# Allegro board trx_layout.brd (continued)
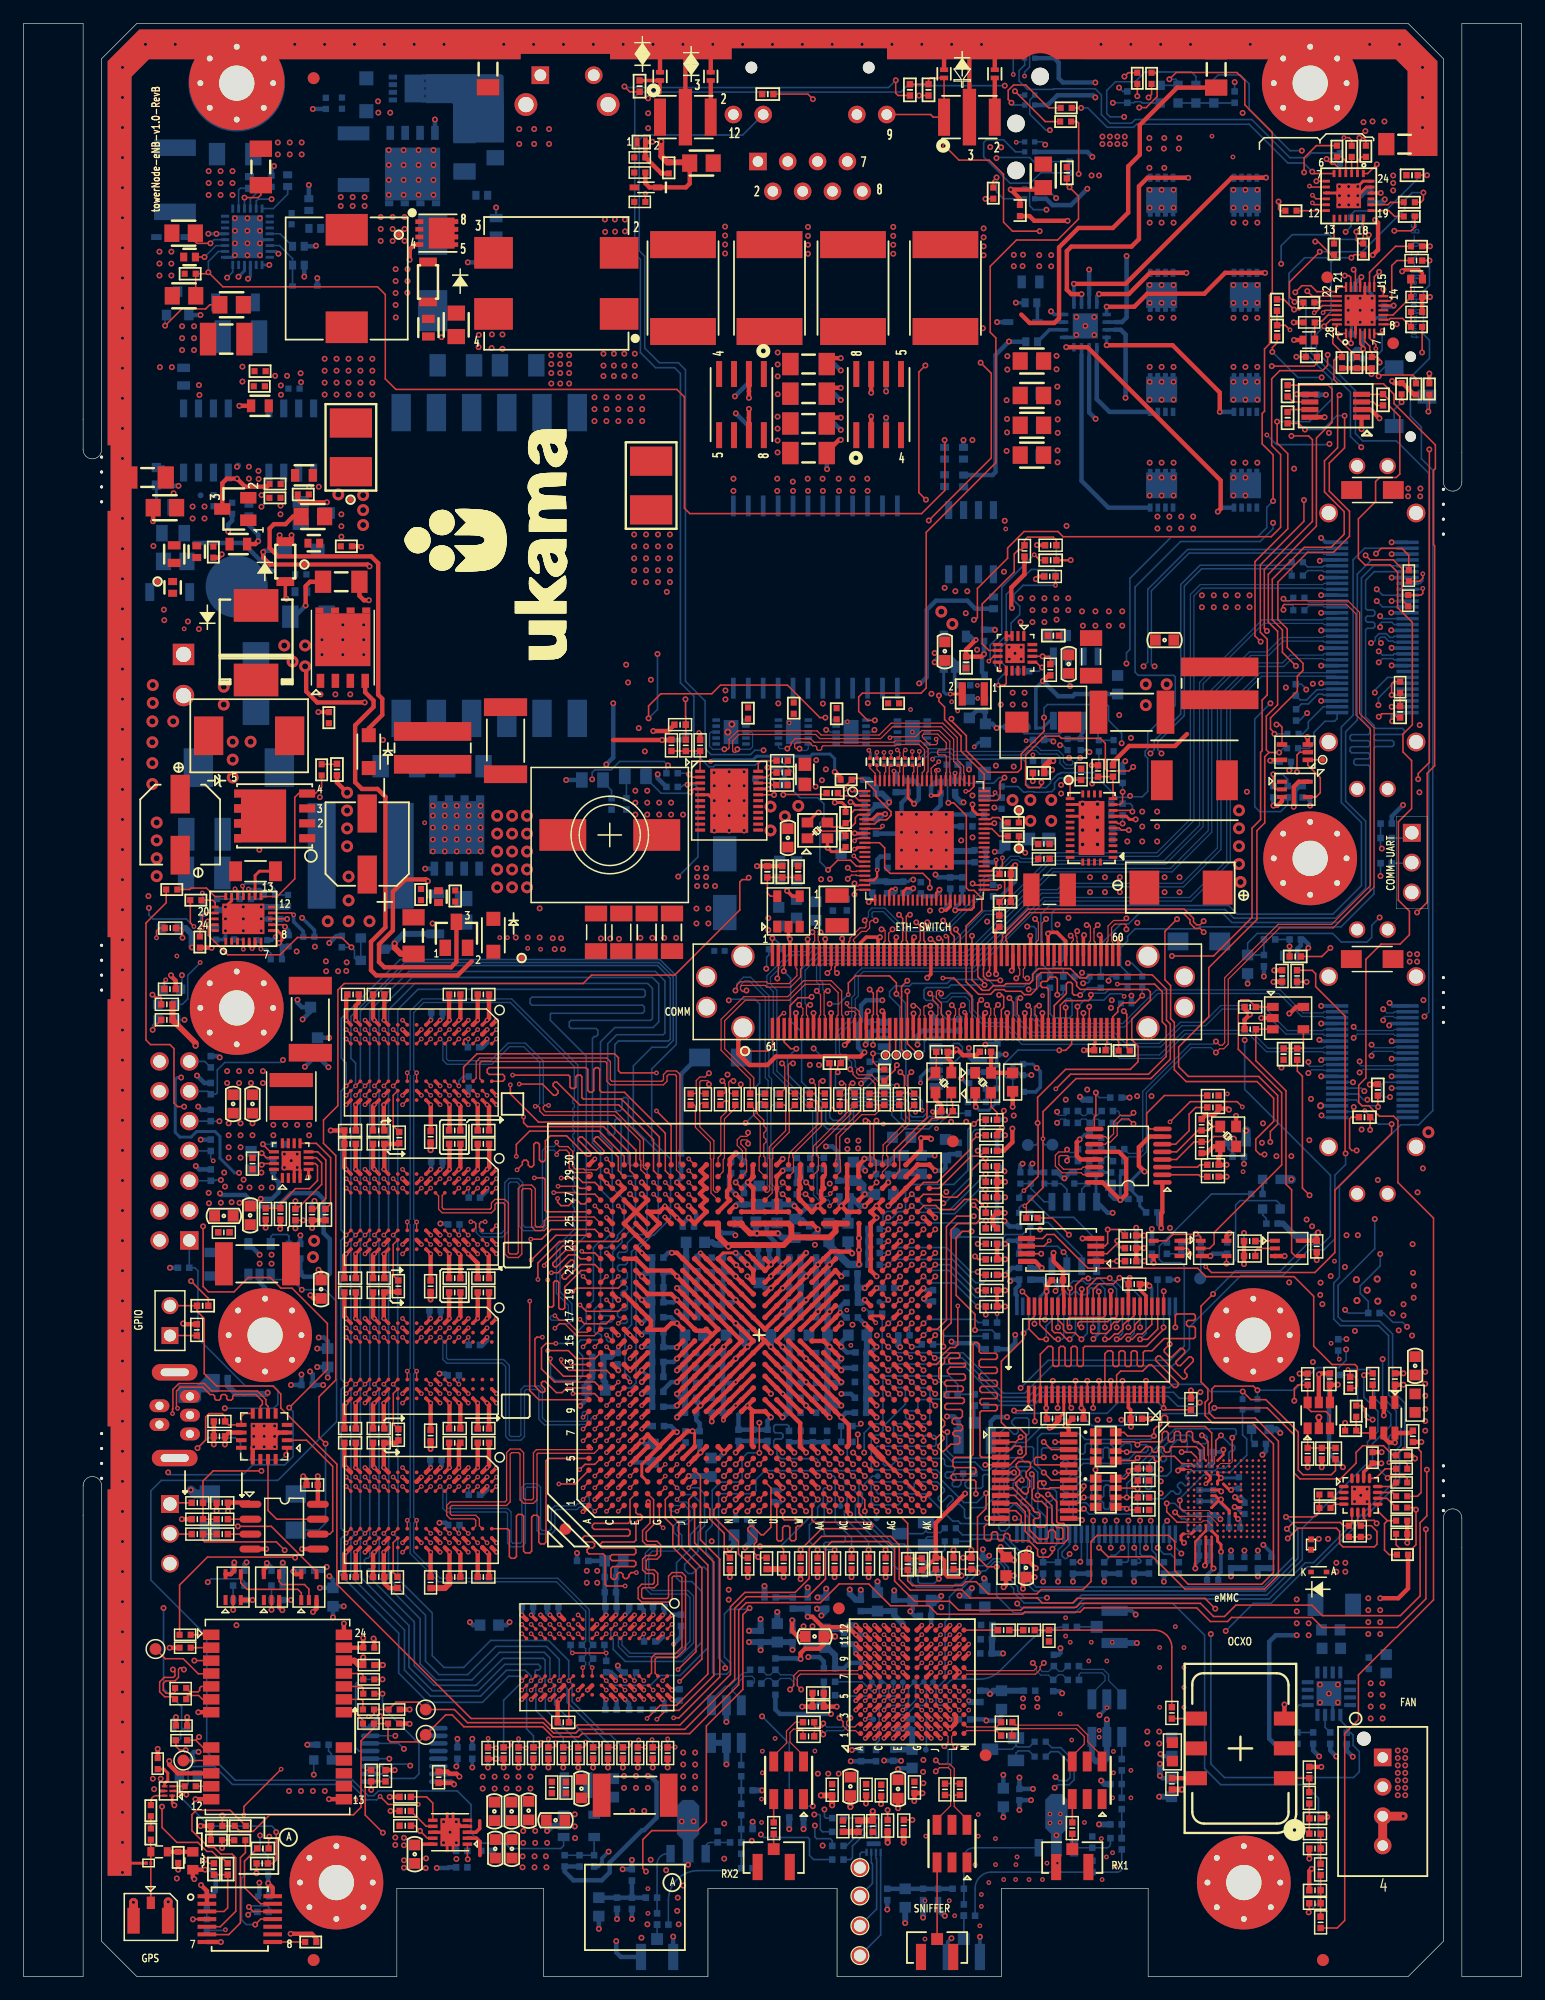
[diagram p0: board, top side]
## Routing (per net, layer and track width the routed paths; a pad name or vN(x,y) marks a point on that pad's centre or on a via; arc(x,y) is an arc through that point) (continued)
N18723580: length 2
  BOTTOM w0.137: v1(21.13,151.33) 19.99,151.33 19.83,151.17 U45.13
  vias: v1(18.65,137.07) v1(18.65,135.8)
N18787052:
  vias: v1(24.36,126.85) v1(25.15,126.85)
N18823954:
  vias: v1(21.89,124.5) v1(21.9,125.24)
N18984920: length 3.3
  BOTTOM w0.137: U45.14 21.28,150.53 22.5,151.75 R250.2
N19428436: length 3
  BOTTOM w0.137: U45.12 19.33,151.33 20.38,152.38 R251.1
N19433326: length 3.3
  TOP w0.137: v1(18.83,151.46) 20,151.46 20.22,151.69 C7.2
  BOTTOM w0.137: U45.11 v1(18.83,151.46)
N19490275:
  vias: v1(20.28,126.13) v1(20.27,125.15)
N19519743:
  vias: v1(27.08,124.5) v1(27.08,123.48) v1(27.08,122.59)
N19520227:
  vias: v1(21.82,122.72) v1(22.83,122.72)
N19527484: length 29.8
  TOP w0.381: R53.2 22.97,124.31 22.32,123.66 21.34,123.66 20.97,123.29 20.97,121.64 21.69,120.92 29.62,120.92 30.21,120.33 30.21,109.14 30.57,108.79 30.57,107.42 29.41,106.27 D12.1
N19802595: length 6.4
  TOP w0.137: R33.2 15.87,142.34 15.52,141.99 13.49,141.99 v1(12.07,140.56)
  BOTTOM w0.137: v1(12.07,140.56) 12.07,141.35 Q23.2
N19816570: length 3
  TOP w0.137: v1(70.67,43.61) U1.AC5
  BOTTOM w0.137: R416.1 70.17,45.08 70.17,44.11 v1(70.67,43.61)
N19916023: length 23.9
  L3-SIGNAL w0.381: v1(35.05,158.12) 28.63,158.12 25.69,155.18 25.69,146.51 v1(23.92,144.74)
  BOTTOM w0.381: Q16.4 v1(35.05,158.12) ; R263.1 v1(23.92,144.74)
N19921421: length 2.4
  BOTTOM w0.137: R262.2 21.86,148.38 U45.18
N20950733: length 3.6
  BOTTOM w0.137: R352.2 R351.1 85.81,67.1 86.95,65.96 U62.1
N20950750: length 2.9
  BOTTOM w0.137: R348.2 R347.1 90.15,67.04 U62.3
N20950752: length 3.2
  BOTTOM w0.137: R350.1 R349.2 88.39,67.51 88.88,67.03 U62.2
N20950802: length 9.3
  BOTTOM w0.137: R357.1 85.78,66.29 87.43,64.64 89.46,64.64 91.42,62.68 U62.5
N20950826: length 6.8
  BOTTOM w0.137: U62.6 90.15,61.34 87.28,64.21 86.6,64.21 R364.1
N21184356: length 4.1
  BOTTOM w0.137: R483.1 108.76,108.7 109.31,108.7 110.17,109.56 110.69,109.56 110.74,109.61 J13.56
N21184358: length 4.1
  BOTTOM w0.137: J13.57 110.74,109.11 110.66,109.19 110.29,109.19 109.45,108.36 108.87,108.36 R484.1
N21225912: length 3
  BOTTOM w0.107: R285.1 109.5,116.71 110.7,116.71 110.79,116.61 J13.42
N21225914: length 3
  BOTTOM w0.107: R283.1 109.5,117.02 110.7,117.02 110.79,117.11 J13.41
N21294021: length 5.2
  TOP w0.137: v1(95.3,83.52) 94.69,82.91 93.65,82.91 93.22,82.47 93.22,82.15 92.79,81.71 J4.119
  BOTTOM w0.137: R308.1 v1(95.3,83.52)
N21294187: length 2.7
  TOP w0.137: J4.1 63.8,88.4 v1(63.79,88.4)
  BOTTOM w0.137: R302.2 64.45,87.88 63.92,88.4 v1(63.79,88.4)
N21294708: length 1.8
  TOP w0.137: R5.1 J4.120
N21294710: length 1.9
  TOP w0.137: J4.118 92.29,79.5 92.18,79.39 R115.1
N21414742: length 4.5
  TOP w0.137: U21.10 116.66,141.47 R43.2 118.19,144.5 R39.1
N21414746: length 3.7
  TOP w0.137: R48.1 110,139.34 R45.2 110.12,140.97 110.64,140.97 111.15,141.47 U21.26
N21414756: length 2
  TOP w0.137: U21.23 110.54,142.67 110.41,142.54 R41.1
N21414762: length 4
  TOP w0.137: R46.2 R683.1 117.47,141.18 116.43,141.18 116.32,141.07 U21.9
N21445296: length 3.7
  TOP w0.137: v2(119.2,119.44) 119.2,119.05 118.95,118.8 R57.2
  BOTTOM w0.137: v2(119.2,119.44) 119.2,118.83 118.98,118.61 J13.8
N21445300: length 3
  TOP w0.137: v2(119.2,118.19) 119.2,117.77 119.05,117.62 R60.2
  BOTTOM w0.137: J13.9 119.12,118.11 v2(119.2,118.19)
N21445467: length 5.4
  BOTTOM w0.137: J13.60 111.9,107.1 111.69,106.88 110.87,106.88 109.92,105.93 109.92,104.96 109.54,104.58 R486.2
N21445469: length 4.6
  BOTTOM w0.137: R485.2 108.97,105.8 109.45,106.28 109.45,106.83 110.73,108.11 J13.59
N22620877: length 3.3
  TOP w0.137: R214.2 46.46,21.65 46.46,24.4 U35.L8
N22623748: length 3.9
  TOP w0.137: U11.L8 31.49,75.03 31.49,72.43 R126.2
N22624855: length 3.8
  TOP w0.137: R163.2 31.5,47.05 31.5,49.64 U23.L8
N22625970: length 3.6
  TOP w0.137: R200.2 31.49,34.41 31.49,36.94 U30.L8
N22627093: length 3.8
  TOP w0.137: U15.L8 31.49,62.33 31.49,59.71 R151.2
N22643259: length 1.2
  TOP w0.137: U35.D3 v2(52.84,29.18)
  BOTTOM w0.152: v2(52.84,29.18) 52.86,29.16 R440.2
N22645297: length 1.3
  TOP w0.137: U35.E7 v2(52.04,25.19)
  BOTTOM w0.137: v2(52.04,25.19) 52.04,25.75 R443.2
N22648611: length 1.3
  TOP w0.137: U30.D3 v2(37.89,41.73)
  BOTTOM w0.137: R418.2 37.93,41.69 v2(37.89,41.73)
N22651614: length 1.3
  TOP w0.137: U30.E7 v2(37.09,37.73)
  BOTTOM w0.137: v2(37.09,37.73) 37.09,38.38 R421.2
N22654933: length 1.4
  TOP w0.137: U15.D3 v2(37.89,67.13)
  BOTTOM w0.137: v2(37.89,67.13) 37.93,67.09 R356.2
N22658266: length 1.5
  TOP w0.137: U15.E7 v2(37.09,63.13)
  BOTTOM w0.137: v2(37.09,63.13) 37.14,63.18 R366.2
N22662338: length 1.4
  TOP w0.137: v2(37.89,79.83) 37.61,79.83 37.49,79.71 U11.D3
  BOTTOM w0.137: R317.2 37.85,79.5 37.89,79.54 v2(37.89,79.83)
N22664619: length 2
  TOP w0.137: U11.E7 v2(37.09,75.83)
  BOTTOM w0.137: v2(37.09,75.83) 37.09,76.28 37.44,76.63 R324.2
N22669063: length 1.3
  TOP w0.137: U23.E7 v2(37.09,50.43)
  BOTTOM w0.137: R408.2 v2(37.09,50.43)
N22670170: length 1.2
  TOP w0.137: U23.D3 v2(37.89,54.43)
  BOTTOM w0.137: v2(37.89,54.43) 37.93,54.39 R405.2
N22844512: length 5.2
  TOP w0.137: v2(49.64,27.54) 46.76,27.54 46.75,27.55 v2(46.76,27.55)
  BOTTOM w0.137: 46.64,27.66 46.75,27.55 v2(46.76,27.55) 46.6,27.71 R442.2 ; C423.1 v2(49.64,27.54) 49.49,27.69 R441.2
N26040487: length 2
  BOTTOM w0.137: J5.13 15.44,77.91 R318.2
N26040723: length 1.2
  TOP w0.137: U1.AH20 v1(74.67,58.61)
  BOTTOM w0.137: v1(74.67,58.61) 74.66,58.63 R391.2
N27121622: length 2.2
  TOP w0.137: R111.1 11,80.73 v1(11,80.6)
  BOTTOM w0.137: LED9.1 11,81 v1(11,80.6)
N27122589: length 1.7
  TOP w0.137: v2(12.12,84.86) 12,84.74 R107.1
  BOTTOM w0.137: LED7.1 11.89,84.64 v2(12.12,84.86)
N27122595: length 2.4
  TOP w0.137: R109.1 11.73,83.33 11.67,83.39 11.2,83.39 11,83.6 v1(10.99,83.6)
  BOTTOM w0.137: LED8.1 11.45,83.14 11,83.6 v1(10.99,83.6)
N27124153: length 104.8
  TOP w0.137: R482.1 117.03,107.2 116.72,107.52 115.7,107.52 v1(115.45,107.26) ; U1.AJ14 v1(76.67,52.61)
  L3-SIGNAL w0.127: v1(84.36,73.3) 84.36,72.86 84.73,72.49 84.73,71.94 83,70.2 81.88,70.2 78.61,66.93 v1(78.61,66.8) ; v1(115.45,107.26) 115.45,104.24 117.53,102.16 117.53,100.92 116.4,99.79 116.4,91.96 114.86,90.42 114.86,88.98 116.41,87.43 116.41,84.33 117.22,83.52 117.22,72.59 113.72,69.09 110.65,69.09 104.01,75.73 90.83,75.73 v1(90.62,75.52)
  L6-SIGNAL w0.127: v1(78.61,66.8) 78.85,66.8 78.98,66.68 78.98,54.92 v1(76.67,52.61) ; v1(84.36,73.3) 84.48,73.18 89.99,73.18 90.62,73.8 v1(90.62,75.52)
N27144602: length 15.6
  TOP w0.137: v2(83.04,109.96) 83.58,109.96 83.71,110.09 U4.9 ; C30.2 v2(87.91,118.45)
  BOTTOM w0.137: v2(83.04,109.96) 83.04,109.96 83.04,110.42 83.77,111.15 83.77,111.44 83.23,111.98 83.23,113.15 84.13,114.05 84.13,115.23 84.87,115.97 84.87,116.67 84.58,116.96 84.57,116.96 84.38,117.15 84.38,117.68 85.15,118.45 v2(87.91,118.45)
N27144604:
  vias: v1(83.25,108.3) v1(84.26,109.32) v1(84.26,108.3) v1(85.28,109.32) v1(85.28,108.3)
N27144606: length 13.8
  TOP w0.137: v2(86.1,121.06) 86.57,120.59 C27.1 ; v2(82.23,112) 82.65,112.41 U4.7
  BOTTOM w0.137: v2(82.23,112) 82.35,112.11 82.35,113.37 83.33,114.35 83.33,118.29 v2(86.1,121.06) 86.11,121.06 86.58,120.59 C27.1
N27144621: length 1.3
  BOTTOM w0.137: R286.2 87.98,121.86 C201.1
N27144623: length 15.4
  TOP w0.381: R61.2 85.27,119.39 84.15,118.27 84.15,116.58 v1(84.21,116.52)
  L3-SIGNAL w0.305: v1(84.21,116.52) 84.21,115.3 84.71,114.79 87.8,114.79 89.16,113.43 v1(89.16,109.88)
N27144635: length 2.3
  TOP w0.137: v1(86.77,111.46) 86.71,111.46 86.26,111.91 U4.13
  BOTTOM w0.137: C202.1 86.49,111.14 86.77,111.41 v1(86.77,111.46)
N27144645: length 15.4
  TOP w0.137: U4.6 82.24,112.91 81.67,113.48 81.67,116.87 84.39,119.59 84.39,121.12 84.77,121.5 85.04,121.5 85.27,121.73 R61.1 85.27,122.29 85.53,122.56 87.72,122.56 87.98,122.29 R62.2
N27144685: length 13.4
  TOP w0.137: v2(83.17,111.22) 83.17,111.77 83.03,111.91 U4.8
  BOTTOM w0.137: v2(83.17,111.22) 82.75,111.63 82.75,113.23 83.72,114.2 83.72,117.68 85.85,119.81 87.78,119.81 87.92,119.67 R63.2
N27144921: length 7.7
  TOP w0.137: C94.2 26.16,65.79 26.16,69.72 24.94,70.94 U14.9
N27144923:
  vias: v1(21.29,72.52) v1(21.29,71.63) v1(22.3,72.52) v1(23.32,72.52) v1(24.33,72.52) v1(24.33,71.63)
N27144925: length 7.6
  TOP w0.137: U14.7 24.95,69.72 25.4,69.27 25.4,67.45 23.31,65.35 R137.1 v1(23.16,66.01)
  BOTTOM w0.137: R137.1 v1(23.16,66.01)
N27144937: length 1.4
  TOP w0.137: v1(23.83,64.39) R137.2
  BOTTOM w0.137: v1(23.83,64.39) 24.43,64.39 24.43,64.39 C266.1
N27144939: length 13.8
  TOP w0.381: R135.2 21.89,63.84 21.87,63.82 v1(21.87,63.67)
  L6-SIGNAL w0.381: v1(20.4,76.07) 20.4,71.69 21.26,70.82 21.26,68.25 21.87,67.64 v1(21.87,63.67)
  vias: v1(17.35,77.09) v1(17.35,76.07) v1(18.36,77.09) v1(18.36,76.07) v1(19.38,77.09) v1(19.38,76.07) v1(20.4,77.09)
N27144954: length 2.1
  TOP w0.137: U14.13 21.32,70.23 21.01,70.23 20.4,70.84 v1(20.4,70.87)
  BOTTOM w0.137: v1(20.4,70.87) C247.1
N27144964: length 7.7
  TOP w0.137: U14.6 24.87,69.22 25.05,69.04 25.05,67.77 24.36,67.08 23.17,67.08 21.89,65.8 R135.1 R136.2
N27144986: length 6.6
  TOP w0.137: U14.8 25.06,70.22 25.76,69.52 25.76,66.25 24.87,65.35 R138.2
N27169203: length 4.2
  TOP w0.137: v1(63.94,100.61) 63.93,100.62 U7.18
  BOTTOM w0.137: C37.1 63.7,101.99 63.97,101.72 63.97,100.64 v1(63.94,100.61)
N27169238: length 1.6
  TOP w0.137: U7.20 63.58,101.62 63.76,101.44 64.12,101.44 R87.1
N27169273: length 2.3
  TOP w0.137: U7.22 62.59,103.29 62.83,103.53 R73.1
N27169308: length 1.7
  TOP w0.137: R78.1 63.74,102.51 63.35,102.12 U7.21
N27171135: length 1.9
  BOTTOM w0.137: R289.2 51.36,102.04 C214.1
N27171149: length 5.4
  TOP w0.137: v1(56.82,100.84) 57.1,101.12 U7.4
  BOTTOM w0.137: v1(56.82,100.84) 56.73,100.75 54.32,100.75 53.03,102.04 R289.1
N27171184: length 7.7
  TOP w0.381: v1(53.64,106.05) 54.91,106.05 R68.1
  L6-SIGNAL w0.381: v1(53.64,106.05) 53.64,103.48 52.12,101.95 v1(52.12,100.97)
  vias: v1(52.12,99.95) v1(52.12,98.93) v1(53.14,100.97) v1(53.14,99.95) v1(53.14,98.93) v1(54.15,99.95) v1(54.15,98.93) v1(55.17,99.95) v1(55.17,98.93) v1(56.18,98.93)
N27171634: length 7.2
  TOP w0.381: R69.2 55.17,105.28 v1(54.41,105.28) 50.22,105.28
  BOTTOM w0.381: v1(54.41,105.28) 56.06,105.28 C204.2
N27171650: length 4.2
  TOP w0.137: R69.1 56.41,104.35 C35.1 57.64,104.35 R70.2 U7.1
N27171802: length 5.6
  TOP w0.137: C35.2 56.42,105.91 ; 56.42,105.91 R68.2 56.42,107.25 56.39,107.27 v1(56.39,108.75) ; 56.42,105.91 56.42,105.91 56.42,105.91
  BOTTOM w0.137: C204.1 56.42,108.73 v1(56.39,108.75)
N27174773: length 1.9
  BOTTOM w0.137: C215.1 50.09,100.98 49.36,101.72 R291.2
N27178741: length 2
  TOP w0.137: U7.2 56.94,102.12 v1(56.69,102.36)
  BOTTOM w0.137: R288.2 56.6,102.46 v1(56.69,102.36)
N27215911: length 2.9
  TOP w0.137: U33.2 v1(21.13,31.22)
  BOTTOM w0.137: R435.2 21.13,32.06 U33.2 v1(21.13,31.22)
N27215928: length 29.1
  TOP w0.137: U16.2 101.04,61.99 101.42,62.38 101.42,63.35 107.18,69.1 107.18,75.25 103.48,78.95 103.48,82.93 103.71,83.16 104.37,83.16 R110.1 U10.1
N27216005: length 3.1
  TOP w0.137: U18.2 99.16,61.99 99.31,61.84 v1(99.31,61.54)
  BOTTOM w0.137: R380.2 97.4,61.54 C276.1
  BOTTOM w0.152: C276.1 v1(99.31,61.54)
N27216243: length 2.9
  TOP w0.137: U32.2 v1(17.86,31.22)
  BOTTOM w0.137: R436.2 17.86,32.06 U32.2 v1(17.86,31.22)
N27216779: length 4.9
  TOP w0.137: U6.2 106.61,101.08 106.47,101.22 v1(106.47,102.36)
  BOTTOM w0.137: C211.1 v1(106.47,102.36) 107.27,102.36 107.7,101.93 R293.2
N27430859: length 5.7
  TOP w0.137: U6.4 110.11,100.43 110.47,100.79 110.47,102.08 109.41,103.14 U5.1 TP3.1
N27682040: length 6.3
  TOP w0.137: U1.AJ16 v1(76.67,55.61)
  BOTTOM w0.137: R396.1 81.33,55.68 81.05,55.96 77.01,55.96 v1(76.67,55.61)
N27872645: length 2.3
  TOP w0.137: R154.1 14.38,54.58 J6.1
N28291570: length 7.9
  TOP w0.137: U13.4 98.22,69.57 99.73,71.07 C91.1 100.95,71.07 101.4,71.53 103.16,71.53 103.29,71.39 Y3.3
N28291594: length 5.8
  TOP w0.137: Y3.1 101.39,72.38 101.05,72.04 C80.1 100.06,72.04 98.23,70.22 U13.5
N28292228: length 2.6
  BOTTOM w0.107: R331.2 91.53,73 91.17,73 90.86,72.68 R332.2 90.51,73 90.13,73 89.82,72.68 C246.1
N28292234: length 2.6
  BOTTOM w0.107: R336.2 91.16,70.07 91.42,70.07 R334.2 92.15,70.09 92.45,70.09 C250.1
N28292240: length 2.6
  BOTTOM w0.107: R338.2 91.13,69.76 91.46,69.76 R342.2 92.15,69.78 92.45,69.78 C253.1
N28292242: length 6.8
  TOP w0.107: U13.14 90.27,68.92 90.09,68.74 89.89,68.74 89.88,68.74 88.6,68.74 88.2,69.14 88.2,69.79 88.31,69.9 88.94,69.9 89.04,69.79 89.04,69.61 v1(88.9,69.47)
  BOTTOM w0.107: R338.1 89.82,69.67 89.72,69.78 88.96,69.78 88.85,69.67 88.85,69.52 v1(88.9,69.47)
N28292264: length 2.6
  BOTTOM w0.107: R328.2 91.5,73.35 91.18,73.35 90.84,73.69 R327.2 90.45,73.31 90.21,73.31 89.82,73.69 C245.1
N28292278: length 6.9
  TOP w0.107: v1(88.9,70.41) 88.7,70.21 88.18,70.21 87.9,69.92 87.9,69.01 88.48,68.43 90.1,68.43 90.27,68.27 U13.15
  BOTTOM w0.107: v1(88.9,70.41) 89.14,70.16 89.55,70.16 R336.1
N28292560: length 4.6
  TOP w0.137: v1(91.36,75.26) 91.36,73.29 91.22,73.16 U13.9
  BOTTOM w0.137: v1(91.36,75.26) 91.36,75.13 91.65,74.84 92.57,74.84 R117.1
N28293840: length 7
  TOP w0.107: v1(94.56,72.6) 94.13,73.02 93.56,73.02 93.17,72.63 93.17,71.63 92.57,71.04 92.34,71.04 92.17,70.87 U13.11
  BOTTOM w0.107: v1(94.56,72.6) 94.23,72.93 93.45,72.93 93.34,72.83 93.34,72.79 93.24,72.68 R331.1
N28293868: length 7.1
  TOP w0.107: v1(94.56,73.54) 94.34,73.33 93.43,73.33 92.86,72.76 92.86,71.76 92.44,71.34 92.34,71.34 92.17,71.52 U13.10
  BOTTOM w0.107: v1(94.56,73.54) 94.25,73.24 93.55,73.24 93.34,73.45 93.34,73.59 93.24,73.69 R328.1
N28294373: length 5.4
  TOP w0.381: v1(96.92,63.72) 96.92,64.98 97.02,65.08 U13.1
  BOTTOM w0.254: v1(96.92,63.72) 96.59,64.05 R132.2
N28294754: length 3.9
  TOP w0.137: U13.2 100.11,68.27 100.28,68.1 R130.2
N28294786: length 3.9
  TOP w0.137: U13.3 100.01,68.92 100.21,69.12 R128.2
N28294818: length 8.3
  TOP w0.137: U13.8 95.95,72.17 95.68,72.43 95.68,73.5 97.19,75.01 R116.2
N28294850: length 6
  TOP w0.137: R122.2 99.86,74 99.29,73.43 99.29,72.01 98.15,70.87 U13.6
N28301963: length 3.1
  TOP w0.137: v1(66.67,67.61) U1.Y28
  BOTTOM w0.137: v1(66.67,67.61) 66.4,67.88 66.4,69.17 R339.2
N28302006: length 1.5
  TOP w0.137: U1.Y27 v1(66.62,66.61)
  BOTTOM w0.127: v1(66.62,66.61) 66.61,66.6 R354.2
N28359985: length 10.2
  TOP w0.137: v1(72.67,40.61) U1.AE2
  L6-SIGNAL w0.127: v1(71.33,47.07) 70.21,45.95 70.21,43.44 70.52,43.13 71.78,43.13 72.19,42.72 72.19,41.09 v1(72.67,40.61)
  BOTTOM w0.137: R414.1 71.12,46.87 v1(71.33,47.07)
N28499038: length 3.5
  TOP w0.137: v1(107.85,87.71) 107.85,87.7 R10.2
  BOTTOM w0.137: U57.2 107.85,87.7 v1(107.85,87.71) 107.85,87.71 C235.1 R300.2
N28500759: length 22.6
  TOP w0.137: U17.4 108.33,61.34 108.03,61.65 108.03,66.98 107.55,67.46 107.55,75.41 104.98,77.98 R113.1 U10.3
N37529531: length 2.7
  TOP w0.137: R6.1 R4.1 113.73,46.28 U25.4
N37586365: length 2.6
  TOP w0.137: R232.1 109.53,13.47 C169.1 109.53,13.46 R238.2
N37586373: length 3.3
  TOP w0.137: U38.1 C152.1 R232.2
N37586451: length 4.2
  TOP w0.381: C154.1 U38.6
  BOTTOM w0.381: v1(96.8,17.09) 97.01,16.88 C445.1
  BOTTOM w0.508: v1(96.8,17.09) v1(96.8,18.11)
N37586583: length 151.2
  TOP w0.137: U44.4 115.8,134.72 R241.2 116.35,134.19 116.35,133.71 117.24,132.82 117.24,127.93 116.95,127.64 115.52,127.64 115.18,127.29 115.18,125.58 113.71,124.12 113.71,120.76 114.28,120.19 116.43,120.19 117.06,119.56 117.06,116.55 118.31,115.3 118.31,106.58 117.51,105.78 117.51,104.26 118.24,103.53 118.24,99.43 117.12,98.31 117.12,91.65 118.06,90.7 118.06,88.7 117.27,87.91 115.66,87.91 114.35,86.61 114.35,76.5 113.74,75.9 113.74,74.42 114.02,74.14 114.61,74.14 115.5,73.25 116.72,73.25 117.08,72.89 117.08,67.6 120.11,64.57 120.11,32.07 113.72,25.68 113.72,21.87 112.55,20.7 112.55,4.78 111.91,4.13 R242.1
N37586587: length 3.5
  TOP w0.137: R239.1 C182.1 R240.2 R242.2
N37586775: length 2
  TOP w0.137: U44.3 114.98,134.07 115.28,133.77 R241.1
N37637914: length 1.5
  BOTTOM w0.152: J17.1 R413.2
N37650909: length 1.2
  BOTTOM w0.254: LED3.1 R97.1
N37651458: length 2.2
  TOP w0.137: R146.1 104.93,61.81 105.12,61.99 U17.2
N37651465: length 2.4
  TOP w0.137: U17.1 105.64,62.64 v1(105.62,62.62) R141.1
  BOTTOM w0.137: R372.1 v1(105.62,62.62)
N37686439: length 1.7
  BOTTOM w0.137: U65.7 110.88,21.22 C436.2
N37686485: length 4.5
  BOTTOM w0.137: U65.9 108.65,23.11 108.52,22.98 R448.1 R449.2
N38213058: length 2.1
  BOTTOM w0.137: R378.1 100.28,59.48 TP24.1
N38345660: length 9.2
  TOP w0.102: 63.83,69.65 63.77,69.59 63.77,66.72 U1.T27
  TOP w0.107: 63.83,69.65 63.83,70.49 65.23,71.9 65.23,73.73 C71.2
N38345697: length 9
  TOP w0.102: 63.53,69.65 63.57,69.6 63.57,66.95 63.41,66.78 63.24,66.78 63.17,66.85 U1.T28
  TOP w0.107: C70.2 64.82,74.21 64.93,74.1 64.93,72.02 63.53,70.62 63.53,69.65
N38345795: length 6.7
  TOP w0.107: C68.1 62.2,73.92 62.2,73.34 62.76,72.78 62.76,69.86 62.67,69.77 62.67,68.62 U1.T29
N38345832: length 6.7
  TOP w0.107: C69.1 62.92,74.47 62.61,74.47 62.5,74.36 62.5,73.47 63.06,72.9 63.06,72.43 63.26,72.24 63.26,72.02 63.06,71.82 63.06,71.47 63.26,71.28 63.26,71.06 63.06,70.86 63.06,69.84 63.17,69.74 U1.T30
N38717127: length 1.6
  TOP w0.137: R108.2 108.52,84.67 v1(109.3,84.68)
  BOTTOM w0.137: U57.4 109.25,84.73 v1(109.3,84.68)
N38737759: length 4
  TOP w0.137: U24.1 R164.2 R165.2 R166.2
N38786456: length 56.2
  TOP w0.137: v1(80.95,64.74) 79.5,64.74 78.62,63.86 78.62,55.89 77.85,55.11 U1.AK16 ; R9.1 113.1,73.17 112.96,73.03 112.96,70.52 113.16,70.33 v1(113.56,70.33)
  L3-SIGNAL w0.127: v1(80.95,64.74) 81.03,64.82 82.26,64.82 83.13,65.7 83.13,66.5 84.15,67.51 90.73,67.51 94.21,70.99 105.5,70.99 v1(105.5,70.99)
  L6-SIGNAL w0.127: v1(105.5,70.99) 105.08,71.41 105.08,73.1 105.34,73.36 105.9,73.36 106.48,72.77 111.12,72.77 v1(113.56,70.33)
N38791044: length 7.7
  TOP w0.107: U1.Y29 67.17,68.12 67.71,68.66 67.71,69.87 67.58,70 67.58,70.56 70.47,73.45 70.47,73.89 R119.2
N38791056: length 7.7
  TOP w0.107: R118.2 69.53,74.53 69.63,74.64 70.06,74.64 70.17,74.53 70.17,73.58 67.28,70.69 67.28,69.95 67.17,69.85 U1.Y30
N38808629: length 4.7
  TOP w0.137: U1.AF14 v1(73.67,52.61)
  BOTTOM w0.137: v1(73.67,52.61) 73.15,53.13 R395.1
N38819302: length 1.6
  TOP w0.137: U1.AH15 v1(75.67,53.61)
  BOTTOM w0.137: R399.1 76.3,53.61 v1(75.67,53.61)
N39820283: length 6.4
  TOP w0.137: U1.AJ15 v1(76.67,54.61)
  BOTTOM w0.137: R398.1 78.5,54.52 77.95,55.07 77.48,55.07 77.48,55.07 77.12,55.07 v1(76.67,54.61)
N40391553: length 4.8
  TOP w0.107: C147.1 65.74,21.65 64.99,20.9 64.99,19.87 63.91,18.78 U39.4
N40391568: length 4.7
  TOP w0.107: C150.1 66.4,20.95 66.28,21.07 65.59,21.07 65.3,20.77 65.3,19.95 66.45,18.8 U39.6
N40392181: length 6.6
  TOP w0.107: C147.2 67.36,21.34 67.47,21.23 68.02,21.23 68.13,21.34 v1(68.13,21.55) ; U3.A1 71.12,20.7 70.87,20.94 70.22,20.94 69.82,21.34 69.82,21.7 v1(69.5,22.02)
  BOTTOM w0.107: v1(69.5,22.02) 69.82,21.7 69.82,21.34 69.71,21.23 68.44,21.23 v1(68.13,21.55)
N40392244: length 6.7
  TOP w0.107: v1(70.44,22.02) 70.12,21.7 70.12,21.47 70.34,21.25 70.82,21.25 71.07,21.5 U3.A2 ; C150.2 67.36,20.82 67.47,20.93 68.02,20.93 68.13,20.82 v1(68.13,20.61)
  BOTTOM w0.107: v1(68.13,20.61) 68.44,20.93 69.84,20.93 70.12,21.21 70.12,21.7 v1(70.44,22.02)
N40601616: length 2.5
  TOP w0.137: v1(77.67,50.61) U1.AK12
  BOTTOM w0.137: R410.2 78.62,50.3 78.31,50.61 v1(77.67,50.61)
N40936377: length 7.3
  TOP w0.137: v2(87.38,62.65) 87.38,62.64 86.93,62.19 U19.6 ; R631.2 87.64,64.59 v1(89.06,63.16)
  L6-SIGNAL w0.127: v2(87.38,62.65) 87.89,63.16 v1(89.06,63.16)
N40936405: length 5.9
  TOP w0.137: U19.3 92.12,62.19 92.36,62.43 v1(92.36,63.6) 93.31,63.6 R140.2
  BOTTOM w0.137: R140.2 93.82,63.46 93.69,63.6 v1(92.36,63.6)
N40936407: length 4.4
  TOP w0.137: U19.2 92.3,61.54 93.17,62.41 ; 93.17,62.41 93.56,62.02 R145.2 ; 93.17,62.41 v1(93.17,62.64)
  BOTTOM w0.137: R145.2 93.31,62.02 93.17,62.16 v1(93.17,62.64)
N40936492: length 3.2
  TOP w0.137: U19.1 93.13,60.89 v1(93.15,60.91) R148.2
  BOTTOM w0.137: R384.2 v1(93.15,60.91)
N41074281: length 1.3
  TOP w0.137: J10.1 C174.1
N41087231: length 2
  BOTTOM w0.137: J19.1 C656.1
N41087331: length 2.3
  BOTTOM w0.137: L42.1 C444.1 C442.1
N41087333: length 2.5
  BOTTOM w0.137: C453.2 C451.1 L42.2
N41087348: length 10.8
  BOTTOM w0.137: U70.3 80.95,10.96 arc(80.35,10.71) 80.1,10.11 L45.1 C465.2
N41087368: length 3.8
  BOTTOM w0.137: U70.1 R732.1 92.25,10.96 arc(92.49,11.06) 92.59,11.3 C453.1
N41087432: length 5.6
  BOTTOM w0.381: L46.1 C461.1 C459.2 C458.2 79.13,7.47 L45.2
N41087526: length 5.8
  BOTTOM w0.137: C466.2 L47.1 53.97,9.58 arc(54.23,10.2) 54.85,10.45 U71.3
N41087528: length 1.2
  BOTTOM w0.137: C466.1 J20.1
N41087548: length 2.3
  BOTTOM w0.137: L43.1 C447.1 C443.1
N41087557: length 2.3
  BOTTOM w0.137: L43.2 C452.1 C454.2
N41087567: length 2.9
  BOTTOM w0.137: C454.1 R734.1 58.53,11.41 arc(58.24,11.29) 58.11,11 U71.1
N41087635: length 5.5
  BOTTOM w0.381: C464.1 C463.2 C462.2 ; C462.2 L44.1 ; C462.2 L47.2
N41094150: length 1.3
  TOP w0.137: J9.1 C173.1
N41359438: length 1.4
  BOTTOM w0.137: R106.2 104.61,45.62 LED6.1
N42046315: length 33.9
  TOP w0.137: v1(75.67,47.61) U1.AH9
  BOTTOM w0.137: R417.2 80.04,42.34 79.87,42.17 79.87,41.92 79.65,41.71 79.24,41.71 79.13,41.83 79.13,42.04 79.43,42.35 79.43,42.54 79.3,42.68 79.09,42.68 78.85,42.44 78.66,42.44 78.52,42.58 78.52,42.82 78.66,42.96 79.19,42.96 79.33,43.09 79.33,43.3 79.19,43.44 78.63,43.44 78.46,43.61 78.46,43.97 78.32,44.11 74.53,44.11 73.92,43.5 73.38,43.5 73.25,43.64 73.25,44 73.11,44.14 72.76,44.14 72.59,44.3 72.59,45.01 72.73,45.15 77.6,45.15 77.74,45.28 77.74,45.92 77.6,46.06 76.86,46.06 74.86,46.06 74.26,46.06 74.12,46.2 74.12,46.92 74.26,47.06 77.07,47.06 77.21,47.2 77.21,48.86 76.95,49.12 76.31,49.12 76.19,49 76.19,48.41 75.93,48.15 75.34,48.15 75.14,47.96 75.14,47.6 75.28,47.47 75.53,47.47 75.67,47.6 v1(75.67,47.61)
N42252550: length 16.2
  TOP w0.083: U29.K5 100.97,39.68 98.91,39.68
  TOP w0.137: v1(98.5,40.54) 98.5,39.93 98.75,39.68 98.91,39.68
  BOTTOM w0.137: R2N1.2 R2N2.2 103.85,46.12 104.2,45.76 104.2,44.38 102.75,42.93 101.84,42.93 101.64,42.73 100.54,42.73 98.5,40.69 v1(98.5,40.54)
N42252590: length 4.7
  TOP w0.083: U29.C2 99.47,43.18 99.32,43.18 98.87,43.18
  TOP w0.305: 98.87,43.18 98.45,43.18 v1(98.35,43.08)
  BOTTOM w0.305: v1(98.35,43.08) 98.81,43.54 C370.1 100.19,43.92 100.34,44.07 C368.1
N42378579: length 60.4
  TOP w0.137: U28.6 113.66,38.63 113.91,38.38 C132.1 114.81,38.38 115.3,37.89 115.3,36.81 115.07,36.58 112.39,36.58 112.12,36.86 112.12,37.9 111.84,38.18 108.57,38.18 v1(107.7,37.3)
  L3-SIGNAL w0.127: v1(107.7,37.3) 107.7,37.37 107.01,38.05 106.79,38.05 106.66,37.92 106.66,33.02 105.57,31.94 90.84,31.94 90.2,31.29 90.2,17.08 89.46,16.34 88.16,16.34 v1(87.84,16.07)
  BOTTOM w0.137: R451.1 87.59,19.49 88.36,19.49 89.5,18.34 89.5,16.75 89.07,16.32 88.09,16.32 v1(87.84,16.07)
N42378600: length 42.3
  TOP w0.137: v1(107.62,38.12) 108.16,38.66 112.17,38.66 112.44,38.38 C131.1 112.9,38.38 113.16,38.65 U28.5
  BOTTOM w0.137: R422.1 79.99,37.6 83.48,37.6 85.25,35.84 85.25,34.19 86.27,33.16 105.62,33.16 108.18,35.72 108.18,37.55 v1(107.62,38.12)
N42378604: length 1.9
  TOP w0.137: R176.2 116.14,40.72 U28.10
N42378613: length 101
  TOP w0.137: C131.2 112.9,37.43 113.91,37.43 ; v1(107.54,39.13) 109.78,39.13 arc(110.21,39.31) 110.39,39.74 R177.1 R172.1 ; 113.91,37.43 v1(114.61,37.43) ; 113.91,37.43 C132.2 ; U28.7 114.16,39.05 114.38,38.84 115.06,38.84 115.32,38.58 v1(115.27,38.58)
  L3-SIGNAL w0.127: v1(114.61,37.43) 115.32,38.14 115.32,38.58 ; 115.32,38.58 v1(115.27,38.58) ; 115.32,38.58 114.15,39.75 108.16,39.75 v1(107.54,39.13) 107.54,38.78 107.14,38.38 106.65,38.38 106.33,38.06 106.33,33.16 105.44,32.27 90.7,32.27 89.87,31.43 89.87,17.21 89.32,16.67 88.24,16.67 88.18,16.68 v1(87.92,16.99)
  BOTTOM w0.137: R467.1 87.51,19.14 88.16,19.14 89.15,18.16 89.15,16.92 88.91,16.68 88.22,16.68 v1(87.92,16.99) ; v1(107.54,39.13) 108.56,38.12 108.56,35.6 105.78,32.82 86.13,32.82 86,32.95 85.97,32.95 84.89,34.03 84.89,35.7 83.35,37.25 80.84,37.25 80.64,37.05 R423.1
N42378655: length 1.7
  TOP w0.137: U28.12 116.58,41.72 R171.1
N42378657: length 2.6
  TOP w0.137: R169.1 116,43.23 115.19,42.42 U28.13
N42378741: length 6.3
  TOP w0.137: U28.9 115.36,39.63 116.18,38.81 ; 116.18,38.81 115.94,38.57 115.94,36.31 116.33,35.92 R719.1 ; 116.18,38.81 R181.1
N42378749: length 1.3
  TOP w0.137: U28.3 111.66,40.72 R172.2
N42378768: length 1.3
  TOP w0.137: U28.4 111.66,40.22 R177.2
N42378865: length 1.7
  TOP w0.137: U28.11 116.6,41.22 R173.1
N42383145: length 1.4
  BOTTOM w0.254: LED2.1 102.66,70.51 103,70.16 R95.1
N42438614: length 3.1
  TOP w0.137: v1(116.55,109.11) 116.55,110.08 116.73,110.26 117.26,110.26 R66.2
  BOTTOM w0.152: J13.27 v1(116.55,109.11)
N42450862: length 1.9
  TOP w0.137: R180.2 U31.2
N42450876: length 1.9